# Altium PCB board.PcbDoc (part 3 of 3)
Units mm, origin at the board's own origin, x right, y up, seen from the top; angles counter-clockwise.
Board outline 44 x 64 mm, 2 copper layers (Top Layer, Bottom Layer), stack 1.5 mm thick; 184 components, 127 nets, 586 pads, 334 vias.
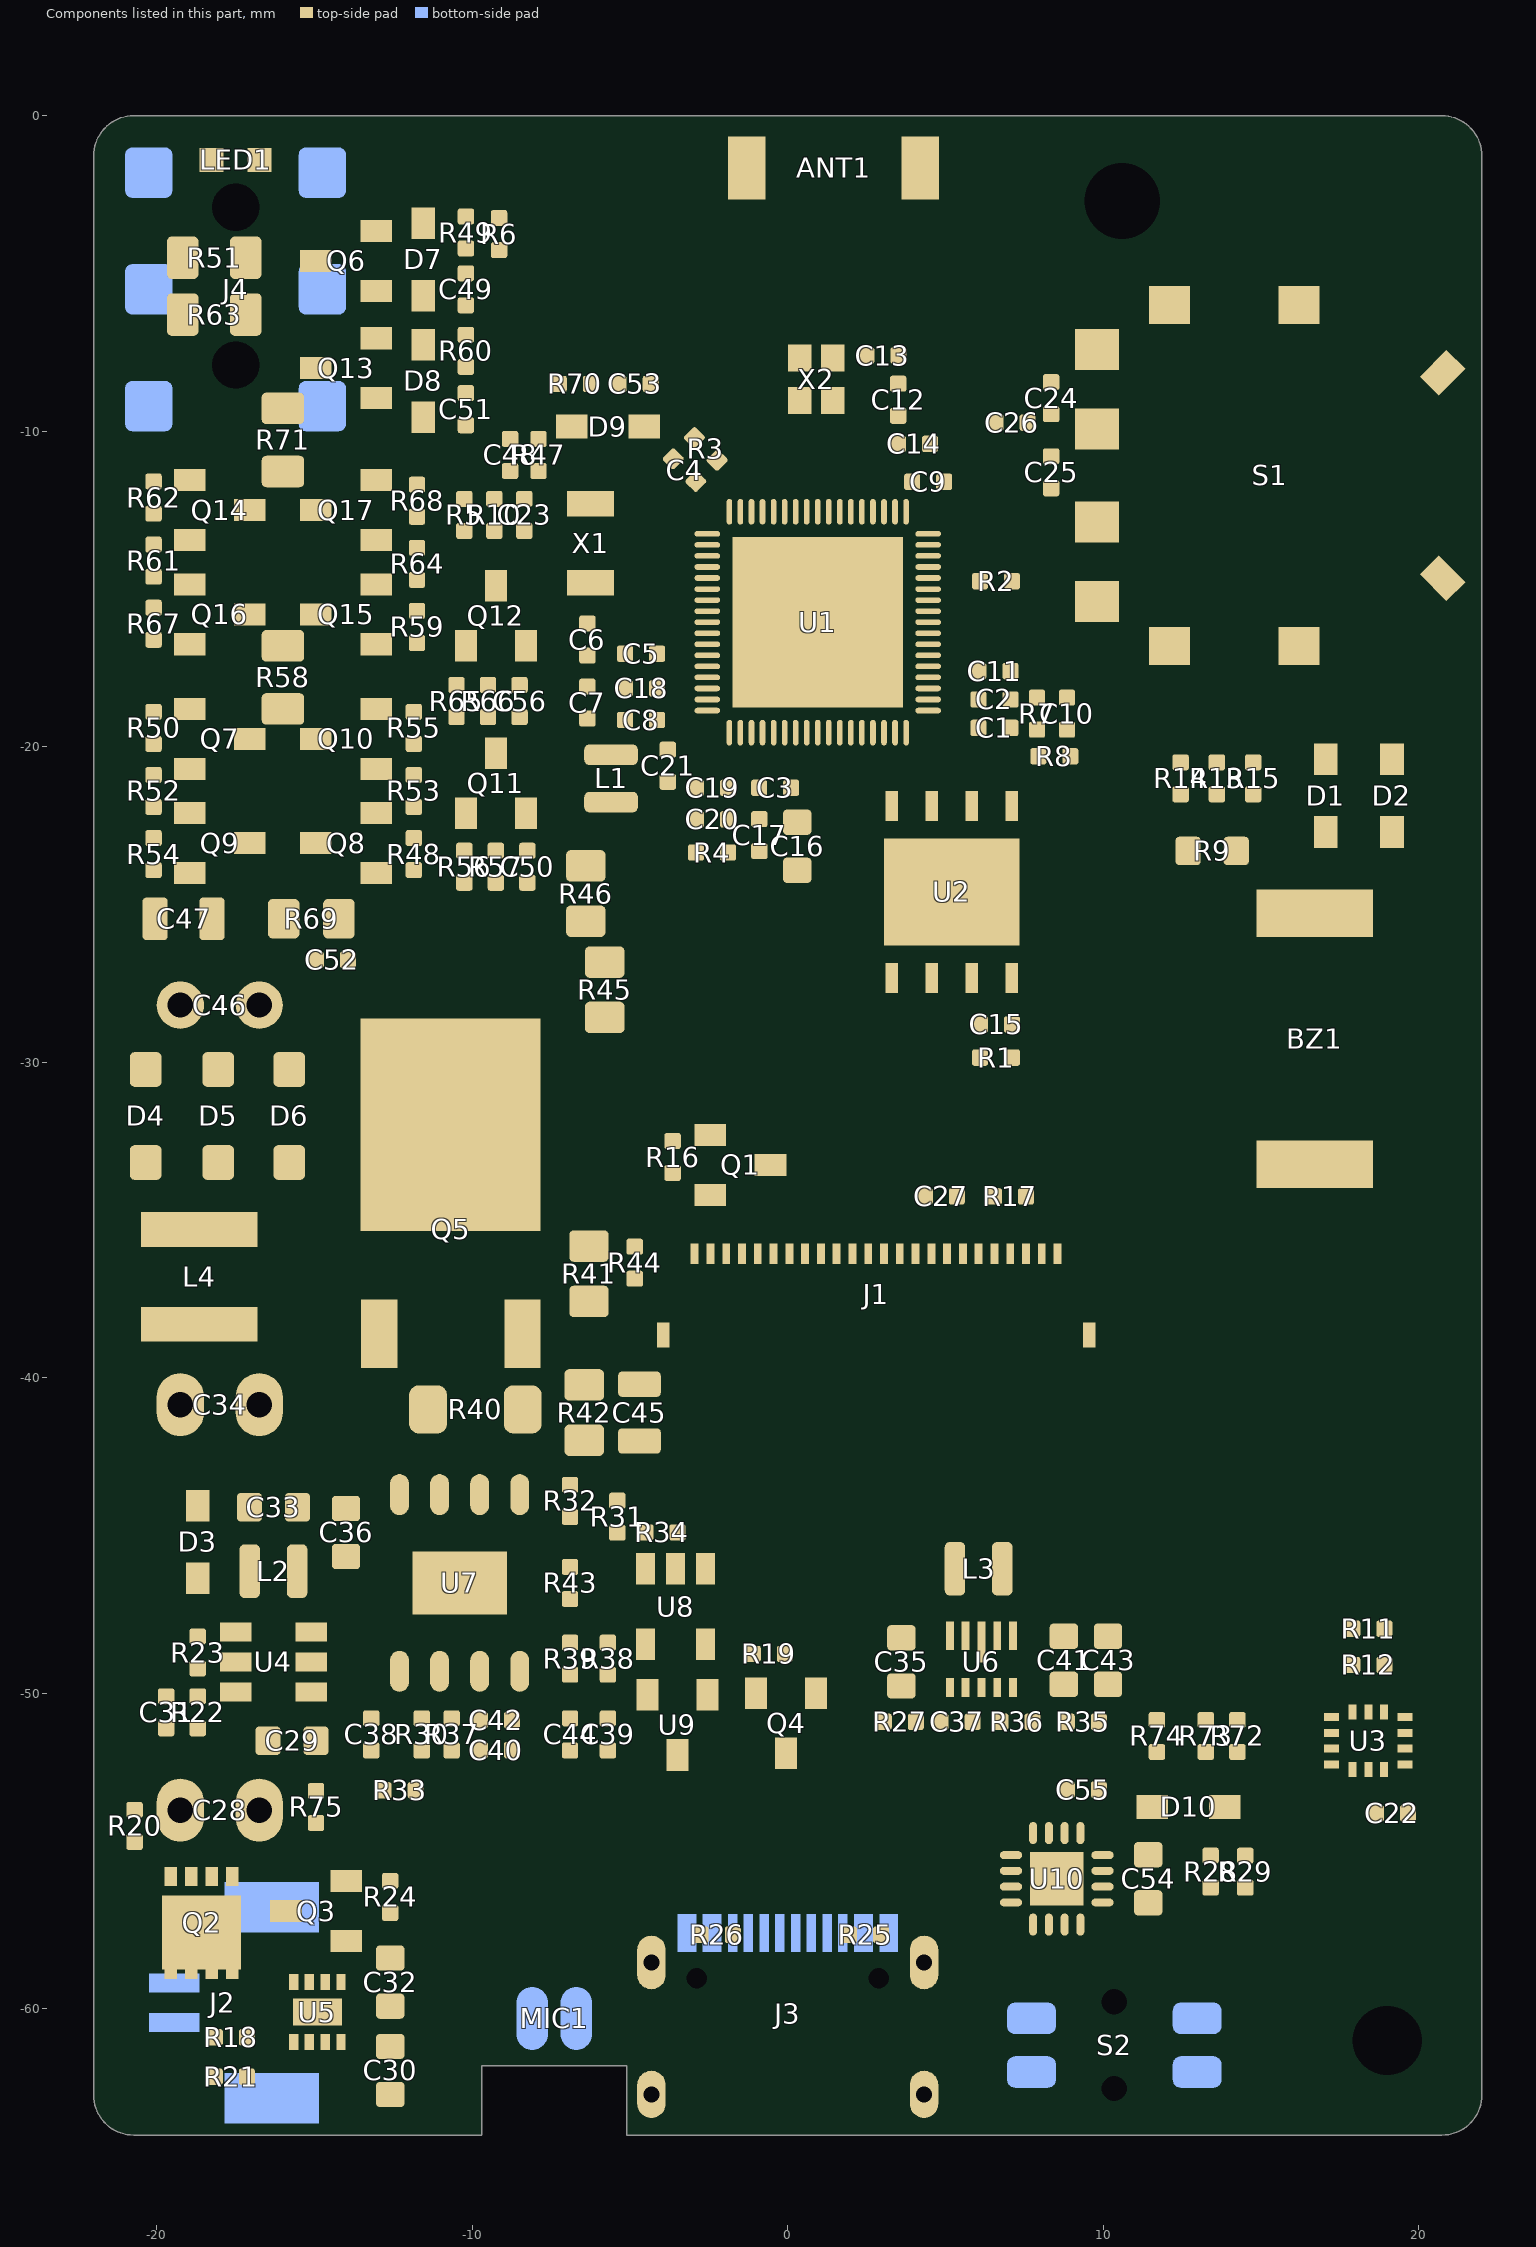
[diagram p3: the components of this part, seen from the top]

## Other copper (continued)
Bottom Layer:
  pour cut-out: -4.331,-59.571 cw(c-4.331,-58.821) -5.081,-58.821 -5.081,-58.171 cw(c-4.331,-58.171) -4.331,-57.421 cw(c-4.331,-58.221) -3.531,-58.221 -3.531,-58.821 cw(c-4.281,-58.821) -4.281,-59.571
  pour cut-out: -4.331,-63.751 cw(c-4.331,-63.001) -5.081,-63.001 -5.081,-62.351 cw(c-4.331,-62.351) -4.331,-61.601 cw(c-4.331,-62.401) -3.531,-62.401 -3.531,-63.001 cw(c-4.281,-63.001) -4.281,-63.751
  pour cut-out: 4.309,-63.751 cw(c4.309,-63.001) 3.559,-63.001 3.559,-62.351 cw(c4.309,-62.351) 4.309,-61.601 cw(c4.309,-62.401) 5.109,-62.401 5.109,-63.001 cw(c4.359,-63.001) 4.359,-63.751
  pour cut-out: 4.309,-59.571 cw(c4.309,-58.821) 3.559,-58.821 3.559,-58.171 cw(c4.309,-58.171) 4.309,-57.421 cw(c4.309,-58.221) 5.109,-58.221 5.109,-58.821 cw(c4.359,-58.821) 4.359,-59.571
  pour cut-out: -19.25,-29.473 ccw(c-19.25,-28.186) -17.963,-28.186 ccw(c-19.25,-28.186) -19.25,-26.899 ccw(c-19.25,-28.186) -20.537,-28.186 ccw(c-19.25,-28.186)
  pour cut-out: -19.394,-18.393 -19.394,-15.685 ccw(c-21.635,-15.685) -20.05,-14.1 -20.616,-13.534 ccw(c-21.2,-14.117) -21.2,-13.292 -21.992,-13.292 -22,-13.3 -22,-18.85 -19.981,-18.85 ccw(c-19.981,-18.36) -19.635,-18.707 -19.445,-18.517 ccw(c-19.57,-18.393)
  region net GND: -17.7,-28.5 -17.65,-28.55 -15.75,-28.55 -15.75,-26.7 -16.5,-25.95 -16.5,-24.8 -16.75,-24.55 -17.55,-24.55 -17.7,-24.7
  region net SYS_VBAT: -19.8,-54.3 -19.8,-59.3 -18.8,-59.3 -18.7,-59.2 -18.7,-53.9
Multi-Layer:
  pour cut-out: -7.35,0 -7.35,-6.8 -7.4,-6.85 8.05,-6.85 8.05,0

## Silkscreen, mask and mechanical layers (free items; w line width, h text height)
Top Overlay:
  region: 4.5,-57.05 4.5,-52.7 -4.95,-52.7 -4.95,-57.05
  region: 9,-34.443 8.55,-35.113 8.1,-34.443
  lines w0.152: -4.2,-39.106 -4.2,-44.106 9.8,-44.106 9.8,-39.106 ; 9.45,-18.97 13.08,-18.97 13.08,-20 ; 9.55,-20.3 11.7,-20.3 11.7,-43.7 10.15,-43.7 ; 11.05,-48.19 13.08,-48.19 13.08,-34.15 ; 8.1,-34.443 8.55,-35.113 9,-34.443 8.1,-34.443
  lines w0.203: -4.8,-56.95 -8.75,-56.95 -8.75,-55.1 -4.7,-55.1 -4.7,-54.25
  text "H.W.b0.1" at 18.385,-46.099 h2.03 r90
  text "StimConn" at 16.683,-46.1 h2.54 r90
  text "GTXYJ 251111" at 20.183,-46.181 h2.03 r90
  text "F.W." at -8.167,-56.542 h2.03
Bottom Overlay:
  drawing of 40 lines, arcs and shapes, not listed
  text "CREN-OHL-P" at -3.25,-55.885 h2.03
  text "BAT" at -18.739,-56.15 h2.03
  text "MIC" at -10.935,-61.559 h2.03 r270
Top Solder:
  region: 7.7,-6.55 3.746,-6.55 3.746,-5.824 3.747,-5.824 3.774,-5.623 3.851,-5.436 3.974,-5.276 3.976,-5.276 4.177,-5.031 4.326,-4.752 4.418,-4.449 4.449,-4.134 4.446,-4.134 4.446,-2.701 4.851,-2.701 4.851,-0.599 3.549,-0.599 3.549,-2.701 3.954,-2.701 3.954,-4.134 3.955,-4.139 3.917,-4.425 3.805,-4.695 3.703,-4.828 3.622,-4.922 3.419,-5.186 3.291,-5.494 3.248,-5.824 3.254,-5.824 3.254,-6.55 -7.05,-6.55 -7.05,-0.306 7.7,-0.306 hole: -0.649,-0.599 -1.951,-0.599 -1.951,-2.701 -0.649,-2.701
Bottom Solder:
  region: -7.05,-0.3 -7.05,-6.55 7.7,-6.55 7.7,-0.3
Mechanical 1:
  the board outline again, w0.152
Mechanical 15:
  lines w0.152: -4.2,-39.106 -4.2,-44.106 9.8,-44.106 9.8,-39.106 ; -2.15,-32 0,-32 2.15,-32 ; 0,-64 0,0 ; -13.08,-48.19 13.08,-48.19 13.08,-18.97 -13.08,-18.97 -13.08,-48.19 ; -11.7,-43.7 11.7,-43.7 11.7,-20.3 -11.7,-20.3 -11.7,-43.7
  text "0,-59MM" at -3.6,-68.605 h2.54